# Altium PCB hava_kalitesi_olcumu.PcbDoc
Units mm, origin at the board's own origin, x right, y up, seen from the top; angles counter-clockwise.
Board outline 72.84 x 60.14 mm, 2 copper layers (Top Layer, Bottom Layer), stack 1.571 mm thick; 82 components, 47 nets, 296 pads, 60 vias.
Unrouted connection lines stored in the file: 1.
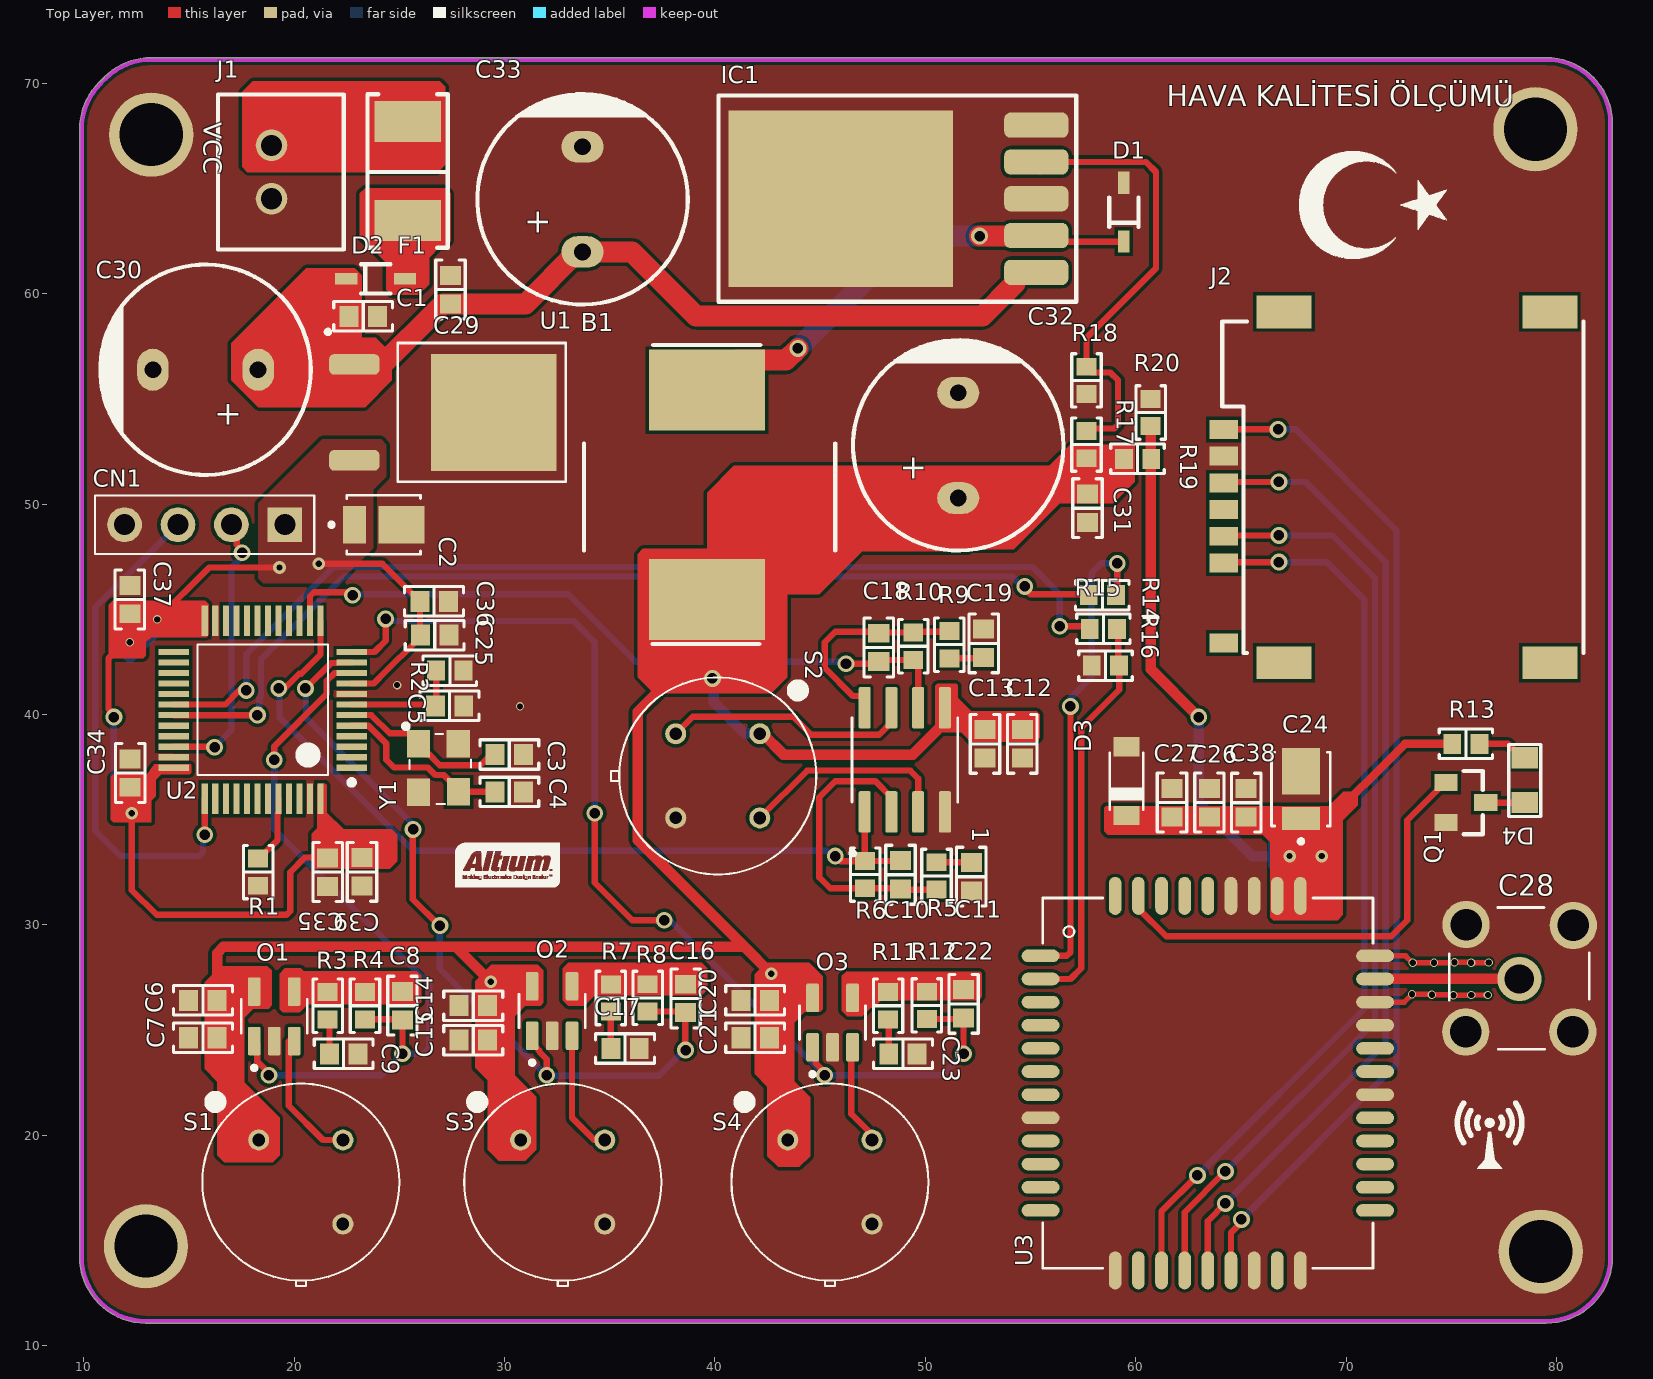
[diagram p0: Top Layer view]
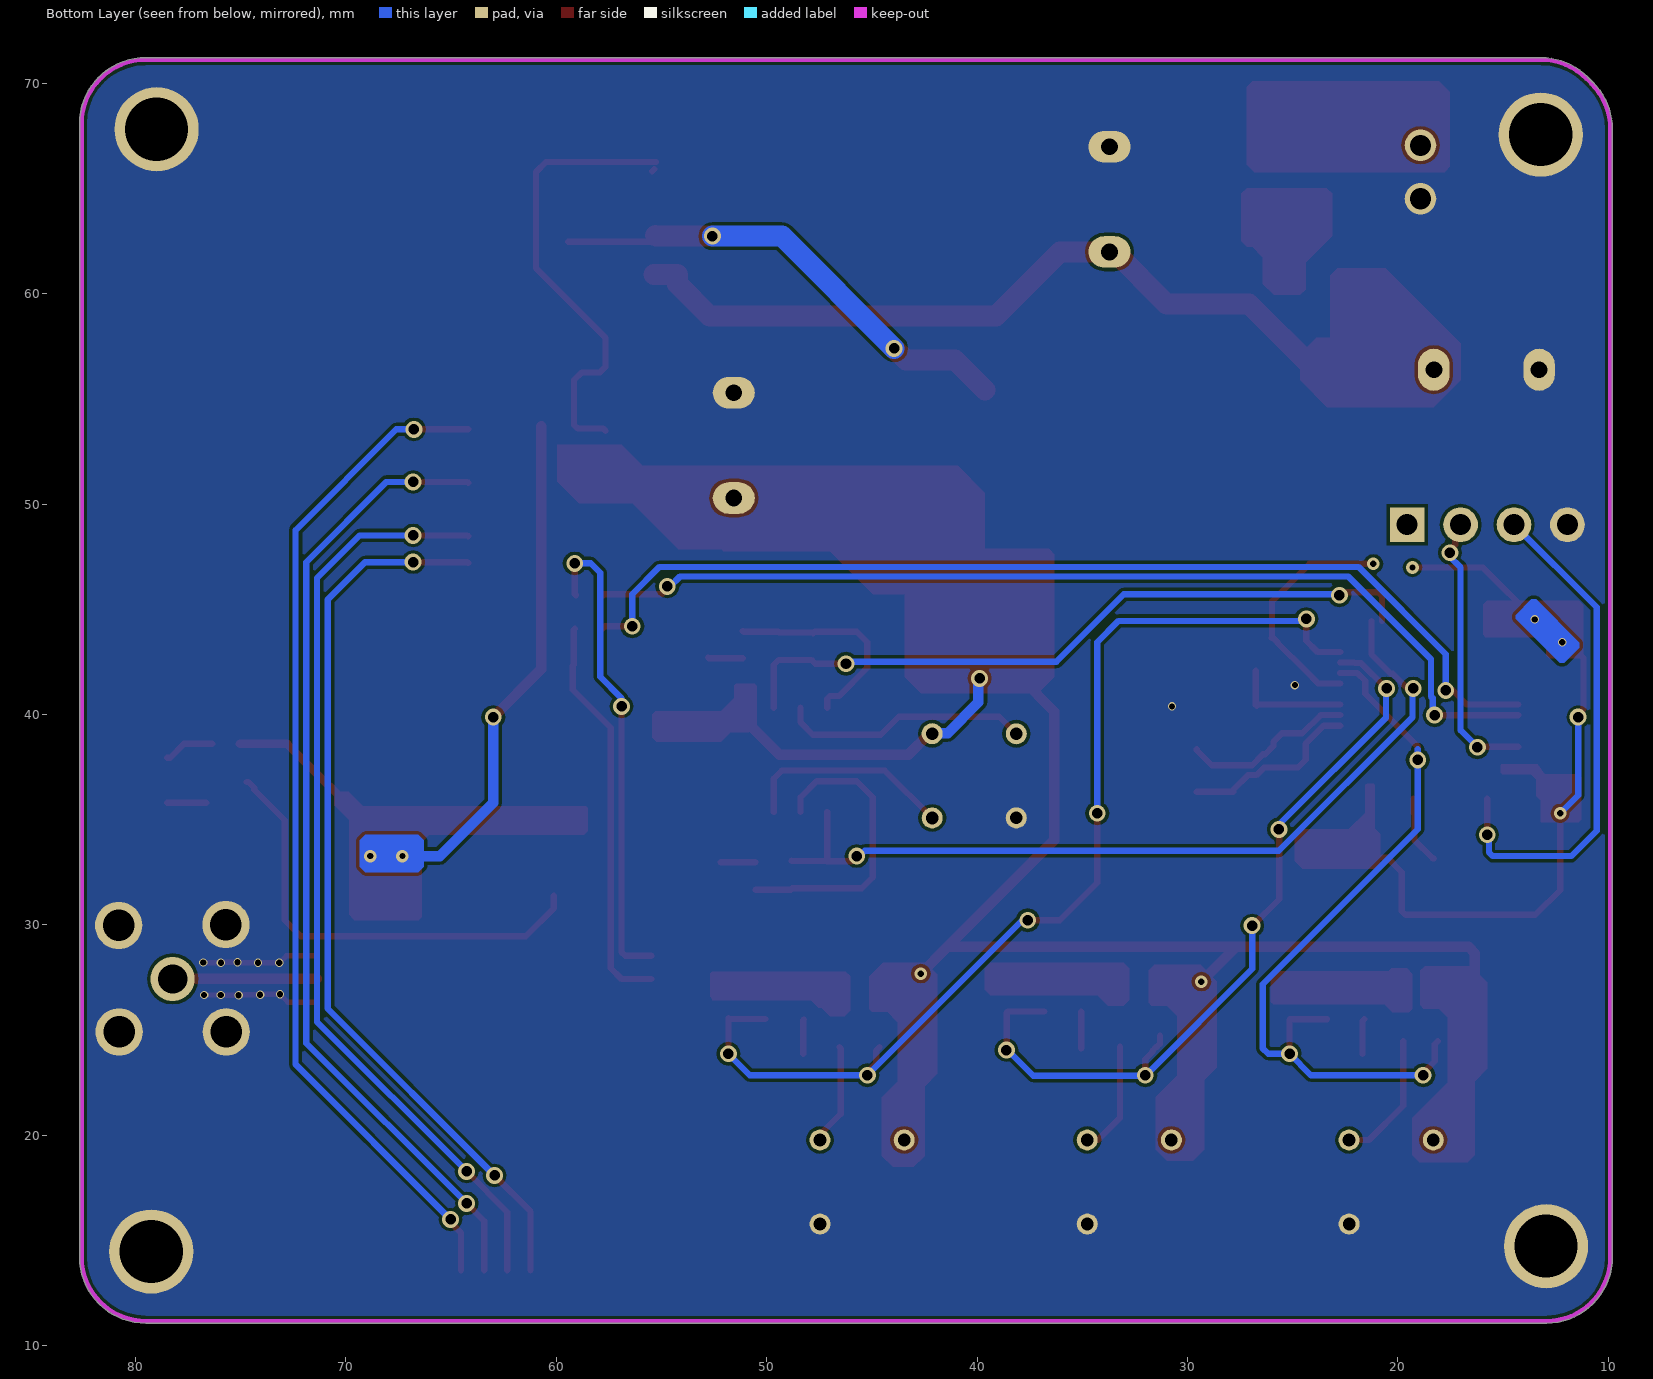
[diagram p1: Bottom Layer view, seen from below]
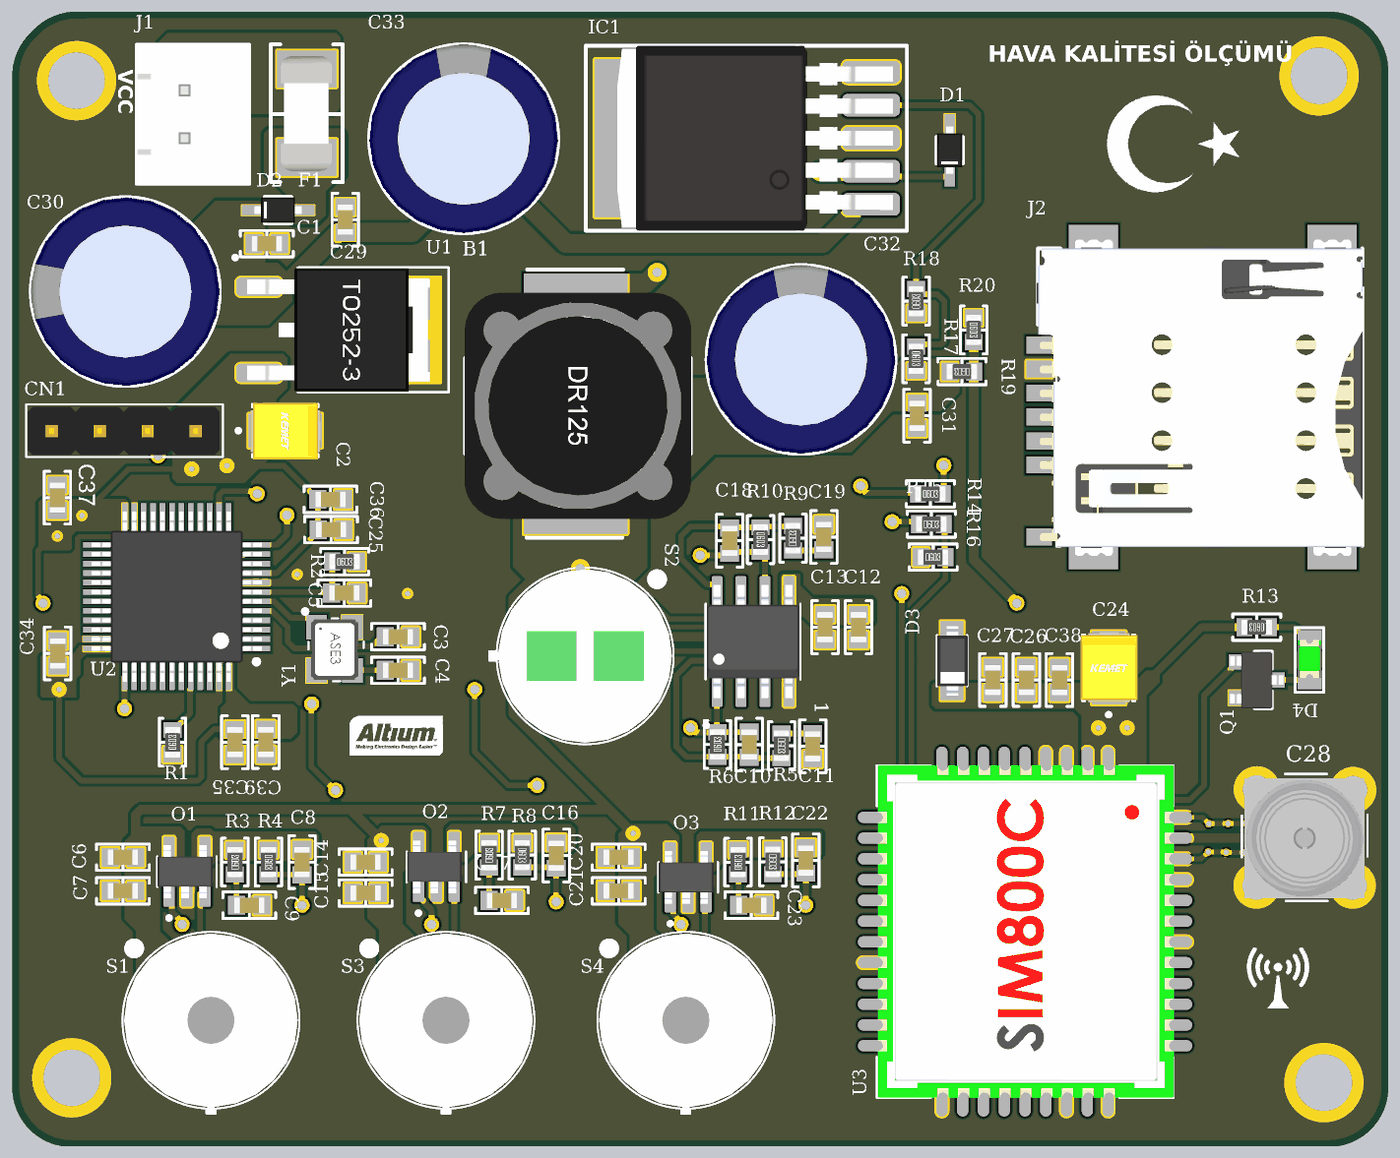
[diagram p2: 3D render of the assembled board from above, using the file's embedded part models]

## Layer stack, top to bottom
Top Solder: solder mask 0.0102, Solder Resist, Dk 3.5
Top Layer: signal copper 0.0356
Dielectric 1: dielectric 1.5, FR-4, Dk 4.8
Bottom Layer: signal copper 0.0356
Bottom Solder: solder mask 0.0102, Solder Resist, Dk 3.5

## Board outline
10.731,11.987 ccw(c10.804,12.056) 10.735,11.983 ccw(c12.928,14.18) 12.928,11.076 79.502,11.076 ccw(c79.502,14.242) 81.739,12.001 ccw(c79.502,14.242) 81.741,12.003 ccw(c79.546,14.198) 81.743,12.005 ccw(c79.546,14.198) 82.65,14.198 82.65,15.494 82.65,67.818 82.65,68.098 ccw(c79.546,68.098) 81.742,70.292 ccw(c79.546,68.098) 81.741,70.293 ccw(c79.502,68.054) 81.74,70.294 ccw(c79.502,68.054) 79.502,71.22 13.208,71.22 ccw(c13.208,68.054) 10.969,70.293 10.733,70.057 ccw(c12.972,67.818) 9.806,67.818 9.806,66.802 9.806,14.986 9.806,14.224 ccw(c12.972,14.224)

## Design rules (kind name [scope] priority, off if disabled: settings)
Clearance [All] p1: gap=0.152 ignorepadtopadclearanceinfootprint=FALSE
HoleSize [All] p1: absolutevalues=TRUE maxlimit=5 minlimit=0.025 maxpercent=80.000 minpercent=20.000
MinimumSolderMaskSliver [All] p1: minsoldermaskwidth=0.05
PlaneConnect [All] p1: planeconnectstyle=Direct reliefexpansion=0.508 reliefentries=4 reliefconductorwidth=0.254 reliefairgap=0.254
PolygonConnect [All] p1: connectstyle=Direct reliefconductorwidth=0.254 reliefentries=4 polygonreliefangle="90 Angle" airgapwidth=0.254
RoutingVias [All] p1: holewidth=0.4 width=0.8 viastyle="Through Hole" minholewidth=0.3 minwidth=0.4 maxholewidth=1 maxwidth=2
SilkToSilkClearance [All] p1: silktosilkclearance=0
SilkToSolderMaskClearance [IsPad] p1: minsilkscreentomaskgap=0 clearancetoexposedcopper=TRUE
SolderMaskExpansion [All] p1: expansion=0.102 istentingtop=FALSE
Width [All] p1: maxlimit=2 minlimit=0.152 preferedwidth=0.3 minimp=50.000000 maximp=50.000000 favimp=50.000000
25 further rules are at their usual default settings.

## Classes and differential pairs
component class Power: B1 C1 C2 C29 C30 C31 C32 C33 D1 D2 F1 IC1 J1 R17 R18 U1
component class Microcontroller: C3 C4 C5 C34 C35 C36 C37 C39 CN1 R1 R2 U2 Y1
component class GSM: C24 C26 C27 C28 C38 D3 D4 J2 Q1 R13 R14 R15 R16 R19 R20 U3
component class GasSensor: 1 C6 C7 C8 C9 C10 C11 C12 C13 C14 C15 C16 C17 C18 C19 C20 C21 C22 C23 O1 O2 O3 R3 R4 R5 R6 R7 R8 R9 R10 R11 R12 S1 S2 S3 S4

## Components (designator, comment, footprint, x,y, rotation, side; value= is the part's Value field where it differs from the comment)
1 "TSV992IDT" SOIC8 49.022,37.846 r90 top
B1 "33uH" DR125 39.624,55.416 r270 top
C1 "330nF" "CAP 0603_1608" 23.281,58.928 r180 top
C2 "10uF" "TANTAL B-CASE" 25.1,49.022 r180 top
C3 "16pF" "CAP 0603_1608" 30.226,38.1 r0 top
C4 "16pF" "CAP 0603_1608" 30.226,36.322 r0 top
C5 "100nF" "CAP 0603_1608" 27.385,40.416 r180 top
C6 "2.2uF" "CAP 0603_1608" 15.661,26.416 r180 top
C7 "100nF" "CAP 0603_1608" 15.661,24.638 r0 top
C8 "3.3nF" "CAP 0603_1608" 25.146,26.162 r270 top
C9 "2.2uF" "CAP 0603_1608" 22.352,23.876 r180 top
C10 "3.3nF" "CAP 0603_1608" 48.821,32.384 r90 top
C11 "2.2uF" "CAP 0603_1608" 52.186,32.294 r90 top
C12 "2.2uF" "CAP 0603_1608" 54.61,38.608 r270 top
C13 "100nF" "CAP 0603_1608" 52.832,38.608 r90 top
C14 "2.2uF" "CAP 0603_1608" 28.512,26.162 r180 top
C15 "100nF" "CAP 0603_1608" 28.512,24.525 r0 top
C16 "3.3nF" "CAP 0603_1608" 38.604,26.507 r270 top
C17 "2.2uF" "CAP 0603_1608" 35.727,24.13 r180 top
C18 "3.3nF" "CAP 0603_1608" 47.785,43.19 r270 top
C19 "2.2uF" "CAP 0603_1608" 52.773,43.384 r270 top
C20 "2.2uF" "CAP 0603_1608" 41.91,26.416 r180 top
C21 "100nF" "CAP 0603_1608" 41.91,24.638 r0 top
C22 "3.3nF" "CAP 0603_1608" 51.816,26.249 r270 top
C23 "2.2uF" "CAP 0603_1608" 48.935,23.876 r180 top
C24 "100uF" "TANTAL B-CASE" 67.851,37.3 r270 top
C25 "10nF" "CAP 0603_1608" 26.678,43.775 r180 top
C26 "33pF" "CAP 0603_1608" 63.5,35.814 r270 top
C27 "10pF" "CAP 0603_1608" 61.722,35.814 r270 top
C28 "SMA" "132134-11 SMA ANTEN" 78.51,26.638 r90 top
C29 "1uF" "CAP 0603_1608" 27.432,60.198 r270 top
C30 "470uF_AL_1" "10x12 Al Cap" 15.758,56.466 r180 top
C31 "100nF" "CAP 0603_1608" 57.706,49.808 r90 top
C32 "330uF_AL" "10x12 Al Cap" 51.64,52.822 r90 top
C33 "100uF_AL" "10x12 Al Cap" 33.782,64.516 r90 top
C34 "0.1uF" "CAP 0603_1608" 12.207,37.22 r270 top
C35 "4.7uF" "CAP 0603_1608" 21.59,32.512 r90 top
C36 "1uF" "CAP 0603_1608" 26.652,45.379 r180 top
C37 "0.1uF" "CAP 0603_1608" 12.192,45.466 r270 top
C38 "1uF" "CAP 0603_1608" 65.248,35.811 r270 top
C39 "0.1uF" "CAP 0603_1608" 23.226,32.523 r90 top
CN1 "CONN4 MALE" "CONN4 MALE" 15.748,49.022 r0 top
D1 "1N4148WS" SOD323F 59.436,63.878 r90 top
D2 "1N4148WS" SOD323F 23.876,60.706 r0 top
D3 "ZENER DIODE" SOD123 59.43,37.34 r90 top
D4 "0805 Green LED" "0805 Green LED" 78.486,37.932 r270 top value=Green
F1 "Fuse 1808" 1808 25.4,65.786 r270 top
IC1 "LM2596" D2PAK 47.424,64.616 r90 top
J1 "JST2" JST2 19.05,65.786 r90 top
J2 "SIM" GCT_SIM7100-6-1-15-00-A_REVC 72.39,50.8 r90 top
O1 "TSV991A" SOT23-5 19.05,25.654 r90 top
O2 "TSV991A" SOT23-5 32.258,25.908 r90 top
O3 "TSV991A" SOT23-5 45.589,25.356 r90 top
Q1 "MMBT3904-7-F" SOT-23F 75.692,35.814 r270 top
R1 "10K" "RES 0603_1608" 18.288,32.512 r90 top
R2 "10K" "RES 0603_1608" 27.4,42.082 r0 top
R3 "50K" "RES 0603_1608" 21.59,26.162 r90 top
R4 "1M" "RES 0603_1608" 23.368,26.162 r270 top
R5 "56K" "RES 0603_1608" 50.529,32.328 r270 top
R6 "1M" "RES 0603_1608" 47.136,32.394 r90 top
R7 "50K" "RES 0603_1608" 35.052,26.528 r90 top
R8 "1M" "RES 0603_1608" 36.805,26.532 r270 top
R9 "56K" "RES 0603_1608" 51.136,43.322 r90 top
R10 "1M" "RES 0603_1608" 49.424,43.247 r270 top
R11 "50K" "RES 0603_1608" 48.228,26.158 r90 top
R12 "1M" "RES 0603_1608" 50.072,26.175 r270 top
R13 "330R" "RES 0603_1608" 75.692,38.608 r180 top
R14 "1K" "RES 0603_1608" 58.414,45.672 r0 top
R15 "1K" "RES 0603_1608" 58.463,44.072 r0 top
R16 "5.6K" "RES 0603_1608" 58.561,42.321 r0 top
R17 "3.3K" "RES 0603_1608" 57.658,52.832 r270 top
R18 "1K" "RES 0603_1608" 57.658,55.88 r90 top
R19 "470R" "RES 0603_1608" 60.085,52.152 r180 top
R20 "2.2K" "RES 0603_1608" 60.706,54.356 r270 top
S1 "GAS DETECTOR" "TO-39 CIRCLE" 20.32,17.78 r270 top
S2 "GAS DETECTOR" "TO-39 DUAL" 39.878,37.084 r180 top
S3 "GAS DETECTOR" "TO-39 CIRCLE" 32.766,17.78 r270 top
S4 "GAS DETECTOR" "TO-39 CIRCLE" 45.466,17.78 r270 top
U1 "LD29150DT33R" "TO252-3 DPAK" 29.48,54.362 r270 top
U2 "STM32F103" LQFP48 18.506,40.225 r180 top
U3 "SIM800C" LCC110P1570X1760X250-42N 63.424,22.482 r0 top
Y1 "OSCILLATOR" OSCILLATOR 26.998,37.427 r270 top

## Footprints (in the part's own frame and the unit in brackets; to place one, negate y for a bottom-side part, rotate by r counter-clockwise, add the part's x,y. Pads: shape width x height; smd on the part's side, far side on the other; paste and mask are expansions set on the pad)
"10x12 Al Cap" [mm]
  oval 1.5x2 hole 0.8: 1(-2.53,0.078) 2(2.47,0.078)
  silkscreen extent -5.03,-4.92 4.97,5.08, body extent -5.03,-4.92 4.97,5.08, height 12.7
"0805 Green LED" [mm] "Led 0805"
  rect 1x1.27 smd: 1(-0.016,0) 2(2.118,0)
  silkscreen extent -0.65,-0.76 2.78,0.76, body extent -0.01,-0.62 2.01,0.63, height 1.1
1808 [mm] "Littelfuse Fuse  6.1mm x 2.69mmx 2.69mm"
  rect 1.96x3.15 smd: 1(-2.4,0) 2(2.3,0)
  silkscreen extent -3.7,-1.91 3.6,1.9, body extent -3.09,-1.38 3.01,1.31, height 2.88
"132134-11 SMA ANTEN" [mm] "CONN SMA JACK STR 50 OHM PCB"
  round 2.25 hole 1.5: G(-1.723,-2.265) G(-1.722,2.826) G(3.339,-2.288) G(3.38,2.811)
  round 2.1 hole 1.4: S(0.794,0.278)
  silkscreen extent -2.54,-3.05 4.19,3.61, body extent -2.39,-2.89 3.96,3.46, height 10
"CAP 0603_1608" [mm] "Chip Capacitor, 2-Leads, Body 1.60x0.80mm, IPC Medium Density"
  rect 0.9x1 smd: 1(-0.675,0) 2(0.675,0)
  silkscreen extent -1.4,-0.7 1.4,0.7, body extent -0.8,-0.41 0.8,0.41, height 0.82
"CONN4 MALE" [mm] "4 PIN 2.54MM"
  rect 1.65x1.65 hole 1 mask+0: 1(3.81,0)
  round 1.65 hole 1 mask+0: 2(1.27,0) 3(-1.27,0) 4(-3.81,0)
  silkscreen extent -5.21,-1.4 5.21,1.4, body extent -5.13,-1.29 5.03,1.25, height 8.89
D2PAK [mm]
  rrect50% 1.2x3.05 smd: 1(-3.6,-7.85) 2(-1.85,-7.85) 3(-0.1,-7.85) 4(1.65,-7.85) 5(3.4,-7.85)
  rect 8.38x10.66 smd mask+0.102: 3(-0.1,1.45)
  silkscreen extent -5,-9.75 4.8,7.25, body extent -5.01,-9.01 4.81,5.59, height 4.22
DR125 [mm]
  rect 3.85x5.5 smd: 1(0,0) 2(9.95,0)
  silkscreen extent -2.14,-5.84 12.06,6.1, body extent -0.92,-5.87 11.08,6.13, height 5.92
GCT_SIM7100-6-1-15-00-A_REVC [mm]
  rect 1.56x2.61 smd: 1(-8.34,5.34) 2(-8.34,-7.29) 3(8.34,-7.29) 4(8.34,5.34)
  rect 0.9x1.35 smd: C1(2.755,8.215) C2(0.215,8.215) C3(-2.325,8.215) C5(1.485,8.215) C6(-1.055,8.215) C7(-3.595,8.215) CD(-7.405,8.215)
  silkscreen extent -7.88,-8.89 7.88,8.28, body extent -8.41,-8.99 8.34,8.34, height 1.5
JST2 [mm] "2 PIN 2.54MM"
  round 1.5 hole 1 mask+0.102: 1(-1.27,0.127) 2(1.27,0.127)
  silkscreen extent -3.68,-3.3 3.68,2.67, body extent -3.61,-3.23 3.61,2.62, height 7.21
LCC110P1570X1760X250-42N [mm]
  oval 1.8x0.6 smd: 1(-7.95,6.05) 2(-7.95,4.95) 3(-7.95,3.85) 4(-7.95,2.75) 5(-7.95,1.65) 6(-7.95,0.55) 7(-7.95,-0.55) 8(-7.95,-1.65) 9(-7.95,-2.75) 10(-7.95,-3.85) 11(-7.95,-4.95) 12(-7.95,-6.05) 22(7.95,-6.05) 23(7.95,-4.95) 24(7.95,-3.85) 25(7.95,-2.75) 26(7.95,-1.65) 27(7.95,-0.55) 28(7.95,0.55) 29(7.95,1.65) 30(7.95,2.75) 31(7.95,3.85) 32(7.95,4.95) 33(7.95,6.05)
  oval 0.6x1.8 smd: 13(-4.4,-8.9) 14(-3.3,-8.9) 15(-2.2,-8.9) 16(-1.1,-8.9) 17(0,-8.9) 18(1.1,-8.9) 19(2.2,-8.9) 20(3.3,-8.9) 21(4.4,-8.9) 34(4.4,8.9) 35(3.3,8.9) 36(2.2,8.9) 37(1.1,8.9) 38(0,8.9) 39(-1.1,8.9) 40(-2.2,8.9) 41(-3.3,8.9) 42(-4.4,8.9)
  silkscreen extent -7.85,-8.8 7.85,8.8, body extent -7.8,-8.8 7.9,8.8, height 2.38
LQFP48 [mm] "TSQFP, 48-Leads, Body 7,00x7,00mm, Pitch 0,50mm, IPC Medium Density"
  rect 1.45x0.3 smd mask+0.05: 1(-4.225,2.75) 2(-4.225,2.25) 3(-4.225,1.75) 4(-4.225,1.25) 5(-4.225,0.75) 6(-4.225,0.25) 7(-4.225,-0.25) 8(-4.225,-0.75) 9(-4.225,-1.25) 10(-4.225,-1.75) 11(-4.225,-2.25) 12(-4.225,-2.75) 25(4.225,-2.75) 26(4.225,-2.25) 27(4.225,-1.75) 28(4.225,-1.25) 29(4.225,-0.75) 30(4.225,-0.25) 31(4.225,0.25) 32(4.225,0.75) 33(4.225,1.25) 34(4.225,1.75) 35(4.225,2.25) 36(4.225,2.75)
  rect 0.3x1.45 smd mask+0.05: 13(-2.75,-4.225) 14(-2.25,-4.225) 15(-1.75,-4.225) 16(-1.25,-4.225) 17(-0.75,-4.225) 18(-0.25,-4.225) 19(0.25,-4.225) 20(0.75,-4.225) 21(1.25,-4.225) 22(1.75,-4.225) 23(2.25,-4.225) 24(2.75,-4.225) 37(2.75,4.225) 38(2.25,4.225) 39(1.75,4.225) 40(1.25,4.225) 41(0.75,4.225) 42(0.25,4.225) 43(-0.25,4.225) 44(-0.75,4.225) 45(-1.25,4.225) 46(-1.75,4.225) 47(-2.25,4.225) 48(-2.75,4.225)
  silkscreen extent -4.35,-3.1 3.1,3.57, body extent -4.5,-4.5 4.5,4.5, height 1.6
OSCILLATOR [mm] "8MHZ 12.5pF"
  rect 1.3x1.1 smd mask+0.05: 1(-1.181,-1.09) 2(1.119,-1.09) 3(1.103,0.817) 4(-1.186,0.801)
  silkscreen extent -2.11,-1.79 1.68,1.41, body extent -1.6,-1.38 1.6,1.12, height 1.22
"RES 0603_1608" [mm] "Chip Resistor, 2-Leads, Body 1.60x0.80mm, IPC Medium Density"
  rect 0.85x0.95 smd: 1(-0.65,0) 2(0.65,0)
  silkscreen extent -1.27,-0.7 1.27,0.7, body extent -0.8,-0.4 0.8,0.4, height 0.45
SOD123 [mm]
  rect 0.91x1.22 smd: A(1.127,-0.127) C(-2.143,-0.127)
  silkscreen extent -1.86,-0.93 0.84,0.67, body extent -2.37,-0.95 1.32,0.65, height 1.35
SOD323F [mm]
  rect 1.05x0.55 smd mask+0.05: 1(-1.4,0) 2(1.4,0)
  silkscreen extent -0.7,-0.7 0.7,0.7, body extent -1.25,-0.67 1.25,0.68, height 1
SOIC8 [mm]
  rrect25% 1.97x0.57 smd: 1(-2.475,1.905) 2(-2.475,0.635) 3(-2.475,-0.635) 4(-2.475,-1.905) 5(2.475,-1.905) 6(2.475,-0.635) 7(2.475,0.635) 8(2.475,1.905)
  silkscreen extent -4.54,-2.51 2,2.57, body extent -3,-2.45 3,2.45, height 1.75
SOT23-5 [mm]
  rrect25% 1.36x0.6 smd: 1(-1.175,0.95) 2(-1.175,0) 3(-1.175,-0.95) 4(1.175,-0.95) 5(1.175,0.95)
  silkscreen extent -2.55,-1.57 0.8,1.57, body extent -1.4,-1.35 1.4,1.55, height 1.45
SOT-23F [mm]
  rect 0.8x1.1 smd mask+0.05: 1(-0.95,-0.945) 2(0.95,-0.945) 3(0,0.945)
  silkscreen extent -1.5,-0.1 1.5,0.8, body extent -1.5,-1.42 1.5,1.42, height 1.2
"TANTAL B-CASE" [mm]
  rect 1.1x1.8 smd: +(2.24,0)
  rect 2.2x1.8 smd: -(0,0)
  silkscreen extent -0.9,-1.4 3.43,1.4, body extent -1.01,-1.48 2.69,1.52, height 2.11
"TO252-3 DPAK" [mm]
  rrect50% 0.98x2.4 smd: 1(-2.28,-6.62) 2(2.28,-6.62)
  rect 5.57x5.96 smd paste-4: 3(0,0)
  silkscreen extent -3.92,-7.97 3.3,3.43, body extent -3.27,-7.24 3.27,2.43, height 2.29
"TO-39 CIRCLE" [mm] "GAS DETECTOR"
  round 1 hole 0.6 mask+0.102: 1(-2.001,-2.004) 2(-1.999,1.998) 3(1.996,1.995)
  silkscreen extent -4.68,-4.68 4.95,4.68, body extent -4.59,-4.59 4.97,4.6, height 4.25
"TO-39 DUAL" [mm] "GAS DETECTOR"
  round 1 hole 0.6 mask+0.102: 1(-2.255,-2.004) 2(-2.253,1.998) 3(1.743,-2.002) 4(1.742,1.995)
  silkscreen extent -4.94,-4.68 4.83,4.68, body extent -4.85,-4.59 4.83,4.6, height 3.9

## Part data
1: "Operational Amplifiers Op Amps SOIC-8 2 Channel 20 MHz", ComponentLink1Description=Digi-Key, ComponentLink1URL=https://www.digikey.com/en/products/detail/stmicroelectronics/TSV992IDT/1578406
B1: "DR125"
C1 C3 C4 C5 C6 C7 C8 C9 C10 C11 C12 C13 C14 C15 C16 C17 C18 C19 C20 C21 C22 C23 C25 C26 C27 C29 C31 C34 C35 C36 C37 C38 C39: "CERAMİC 1206 SMD"
C2 C24: "TANTAL"
C28: library part "Anten SMA  2", "SMA Anten Connector", ComponentLink1Description=Özdisan, ComponentLink1URL=https://www.ozdisan.com/konnektor-ve-baglanti-elemanlari/koaksiyel-konnektorler/sma-konnektorler/CONSMA002-G
C30 C32 C33: "Aluminium Electrolytic Capacitors", ComponentLink1URL=https://www.mouser.com.tr/datasheet/2/427/136rvi-1762300.pdf
  C30 C33: ComponentLink1Description=Vishay
  C32: ComponentLink1Description=Vİshay
CN1: "4 PIN 2.54MM"
D1 D2: "Diode, Single, 75 V, 150 mA, 1 V, 4 ns", Average Rectified Current=150mA, Forward Voltage=1V, Manufacturer="ON Semiconductor / Fairchild", Max Forward Surge Current (Ifsm)=2A, Max Operating Temperature=150°C, Max Repetitive Reverse Voltage (Vrrm)=75V, Max Reverse Current=5uA, Min Operating Temperature=-55°C, Package Quantity=1, Power Dissipation=200mW, Supplier Part Number 1=1N4148WSFSCT-ND, Category="Rectifier Diodes", ComponentLink1Description=https://datasheet.ciiva.com/25968/1n914bws-25968945.pdf?src-supplier=Avnet+Europe, ComponentLink1URL=https://datasheet.ciiva.com/25968/1n914bws-25968945.pdf?src-supplier=Avnet+Europe, ComponentLink2Description=https://datasheet.ciiva.com/30479/0900766b810e1cd3-30479206.pdf?src-supplier=RSComponents, ComponentLink2URL=https://datasheet.ciiva.com/30479/0900766b810e1cd3-30479206.pdf?src-supplier=RSComponents, ComponentLink3Description=https://datasheet.ciiva.com/910/1n4148ws-910381.pdf?src-supplier=Digi-Key, ComponentLink3URL=https://datasheet.ciiva.com/910/1n4148ws-910381.pdf?src-supplier=Digi-Key, ComponentLink4Description=https://datasheet.ciiva.com/15208/getdatasheetpartid-127819-15208358.pdf?src-supplier=Verical, ComponentLink4URL=https://datasheet.ciiva.com/15208/getdatasheetpartid-127819-15208358.pdf?src-supplier=Verical, ComponentLink5Description=https://datasheet.ciiva.com/8300/1n914bws-8300360.pdf?src-supplier=Avnet, ComponentLink5URL=https://datasheet.ciiva.com/8300/1n914bws-8300360.pdf?src-supplier=Avnet, ComponentLink6Description=https://datasheet.ciiva.com/910/1n4148ws-910380.pdf?src-supplier=Digi-Key, ComponentLink6URL=https://datasheet.ciiva.com/910/1n4148ws-910380.pdf?src-supplier=Digi-Key, ComponentLink7Description=https://datasheet.ciiva.com/910/1n4148ws-910382.pdf?src-supplier=Digi-Key, ComponentLink7URL=https://datasheet.ciiva.com/910/1n4148ws-910382.pdf?src-supplier=Digi-Key, Contact Plating=Tin,Matte, Element Configuration=Single, Forward Current=150mA, Height=1mm, Lead Free="Lead Free", Length=1.8mm, Manufacturer Part Number=1N4148WS, Max Reverse Voltage (DC)=75V, Mount="Surface Mount", Number of Pins=2, Packaging="Tape and Reel", Pricing 1="1=0,17000, 10=0,12100, 100=0,06530, 500=0,05128, 1000=0,03562 (USD)", Radiation Hardening=No, REACH SVHC="No SVHC", Recovery Time=4ns, Reverse Recovery Time=4ns, Reverse Voltage=75V, RoHS=Yes, RoHS Compliant=Yes, Series=-, Stock 1=79118, Supplier 1=Digi-Key, Weight=0.0276g, Width=1.35mm